# Altium PCB UCM PCB R1.PcbDoc (part 1 of 2)
Units mm, origin at the board's own origin, x right, y up, seen from the top; angles counter-clockwise.
Board outline 92.33 x 59.27 mm, 4 copper layers (Top Layer, (GND), (PWR), Bottom Layer), stack 1.369 mm thick; 151 components, 87 nets, 459 pads, 182 vias.
Unrouted connection lines stored in the file: 20.
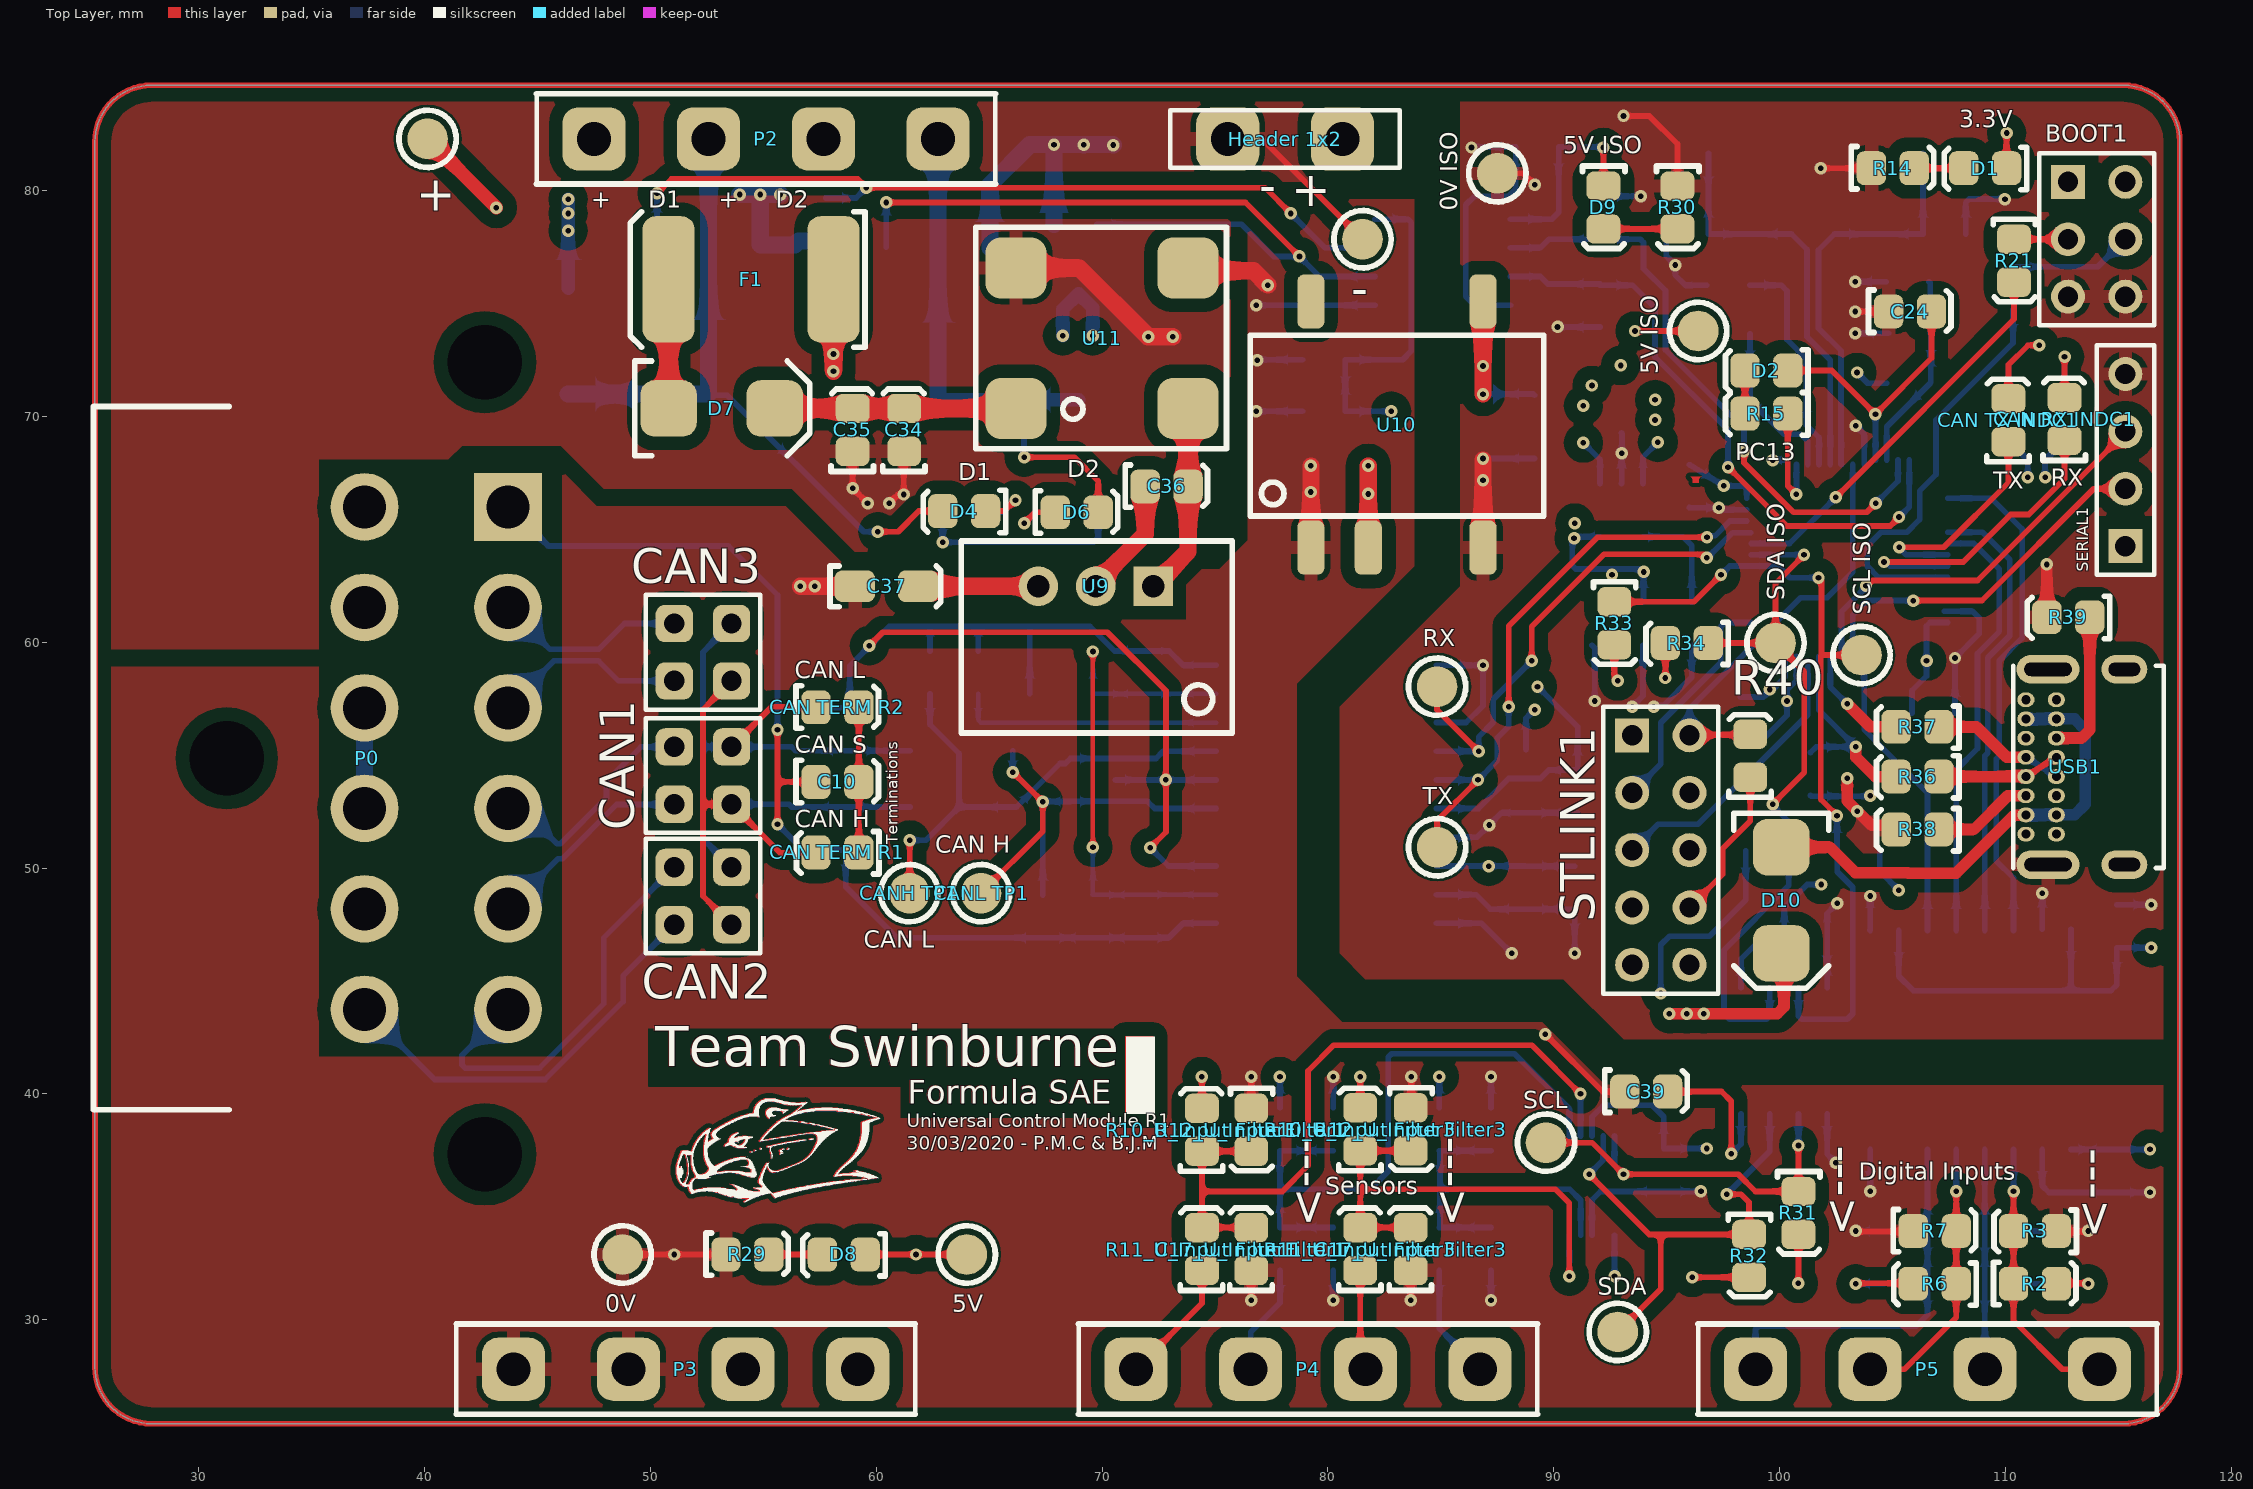
[diagram p0: Top Layer view]
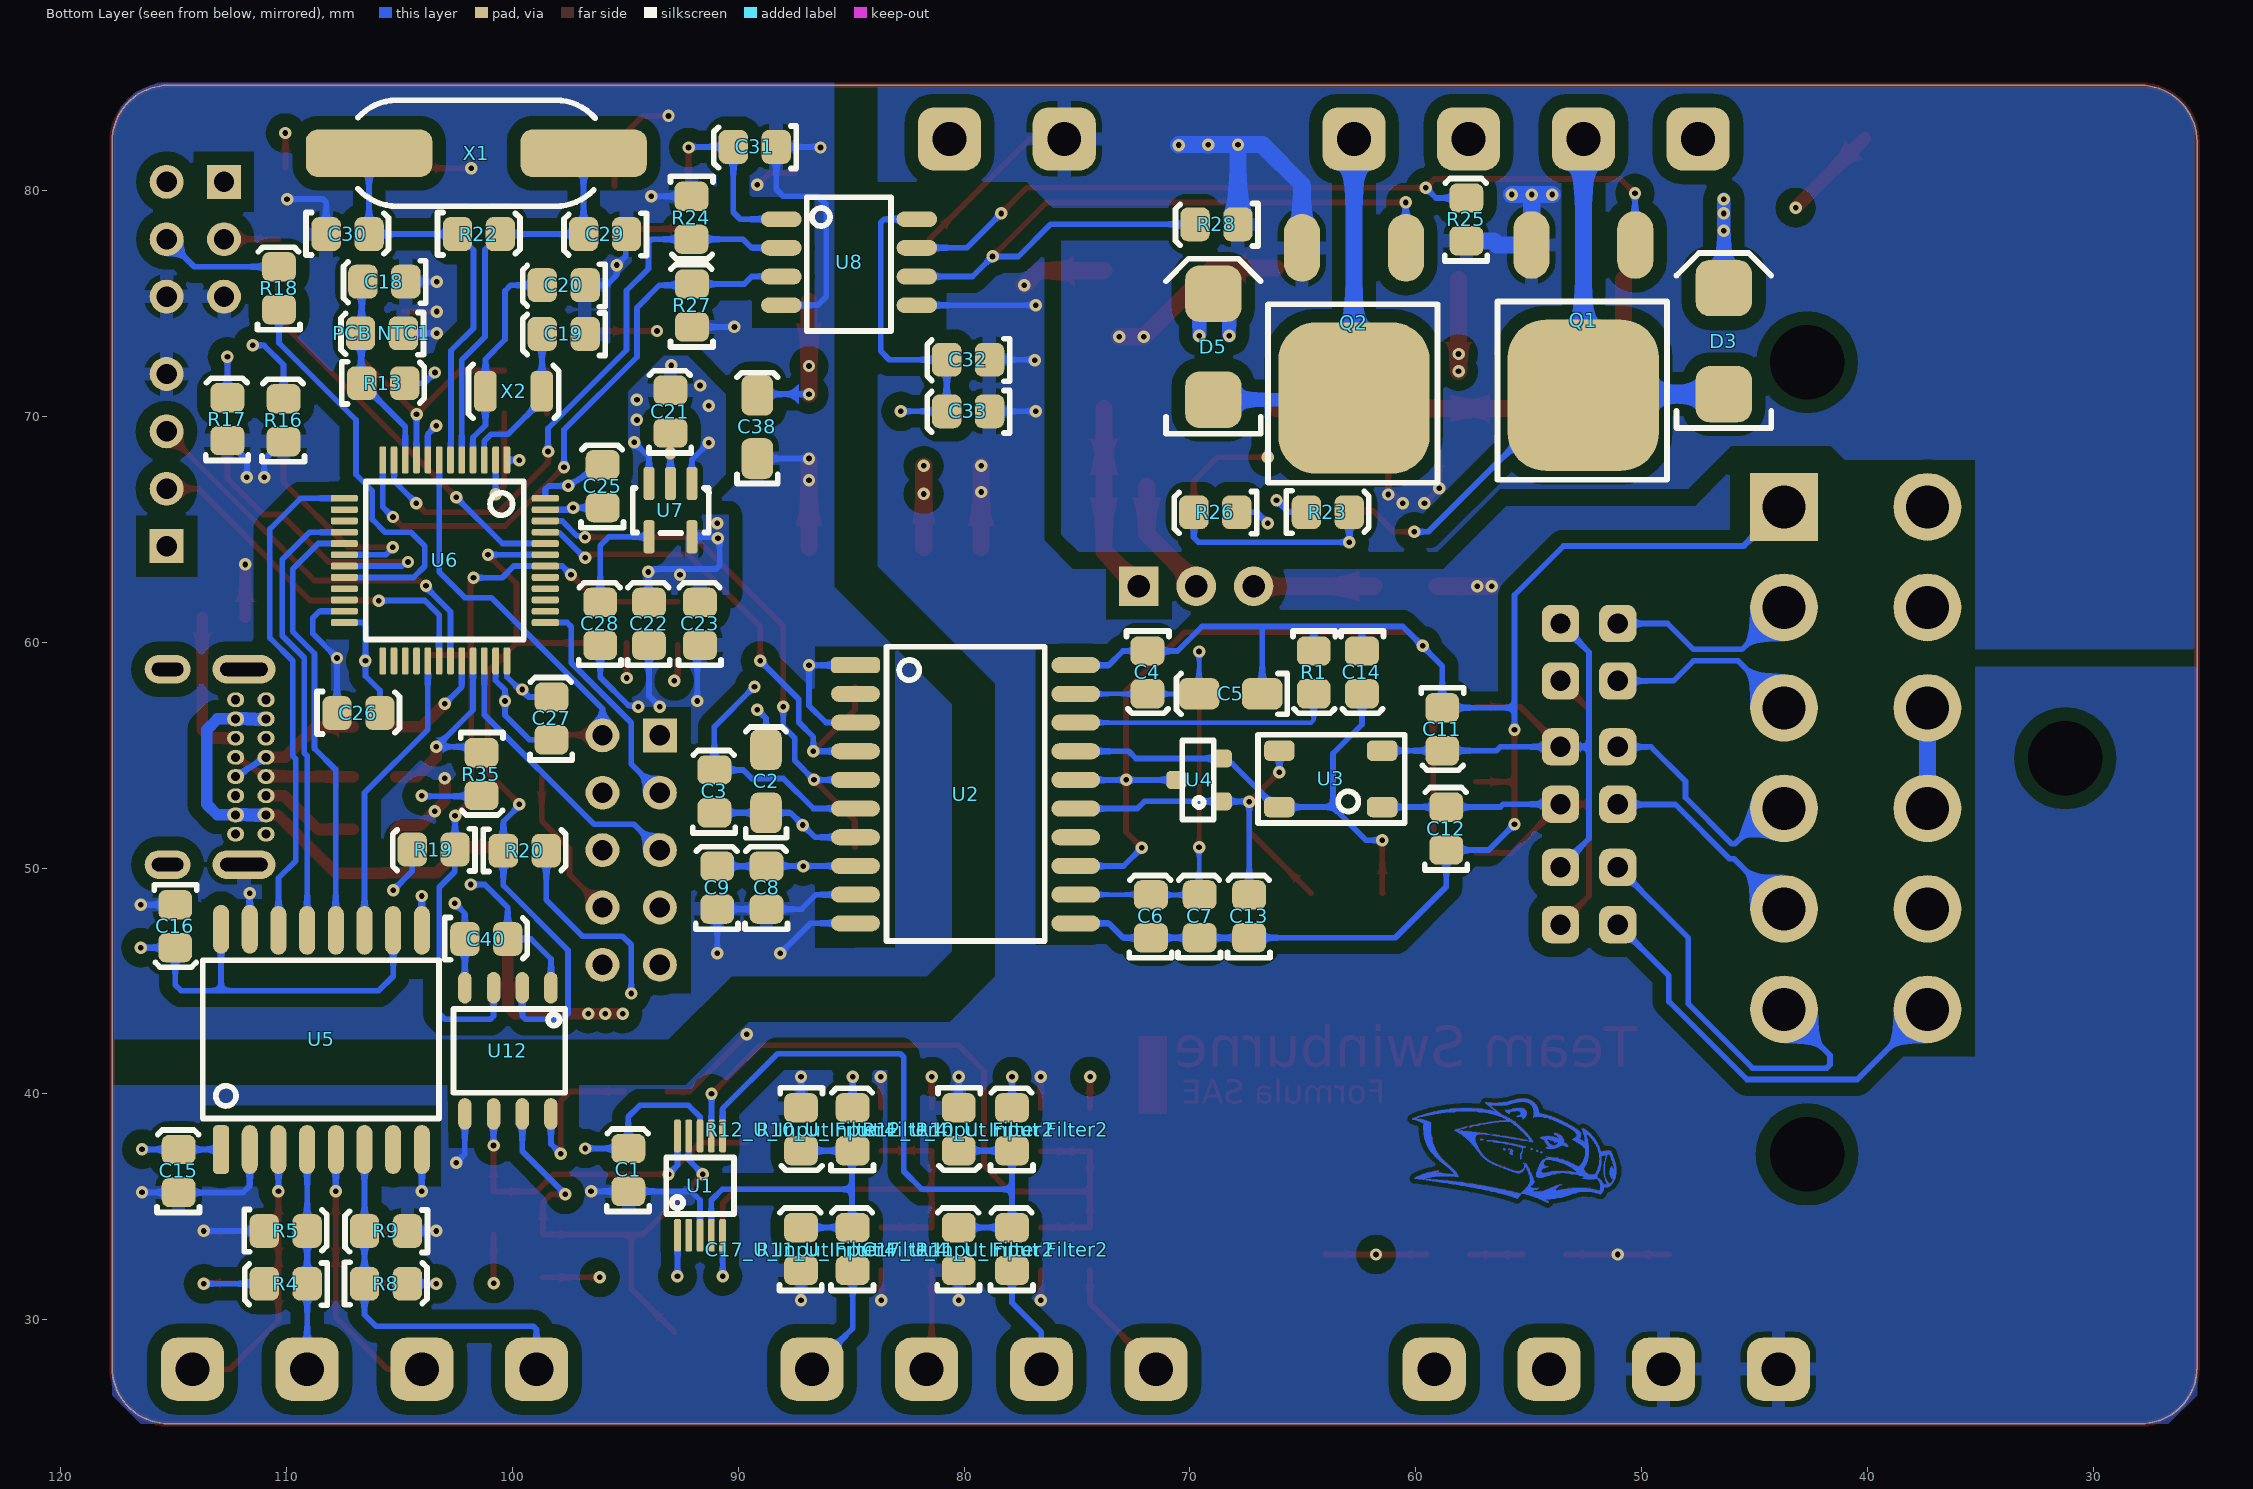
[diagram p1: Bottom Layer view, seen from below]
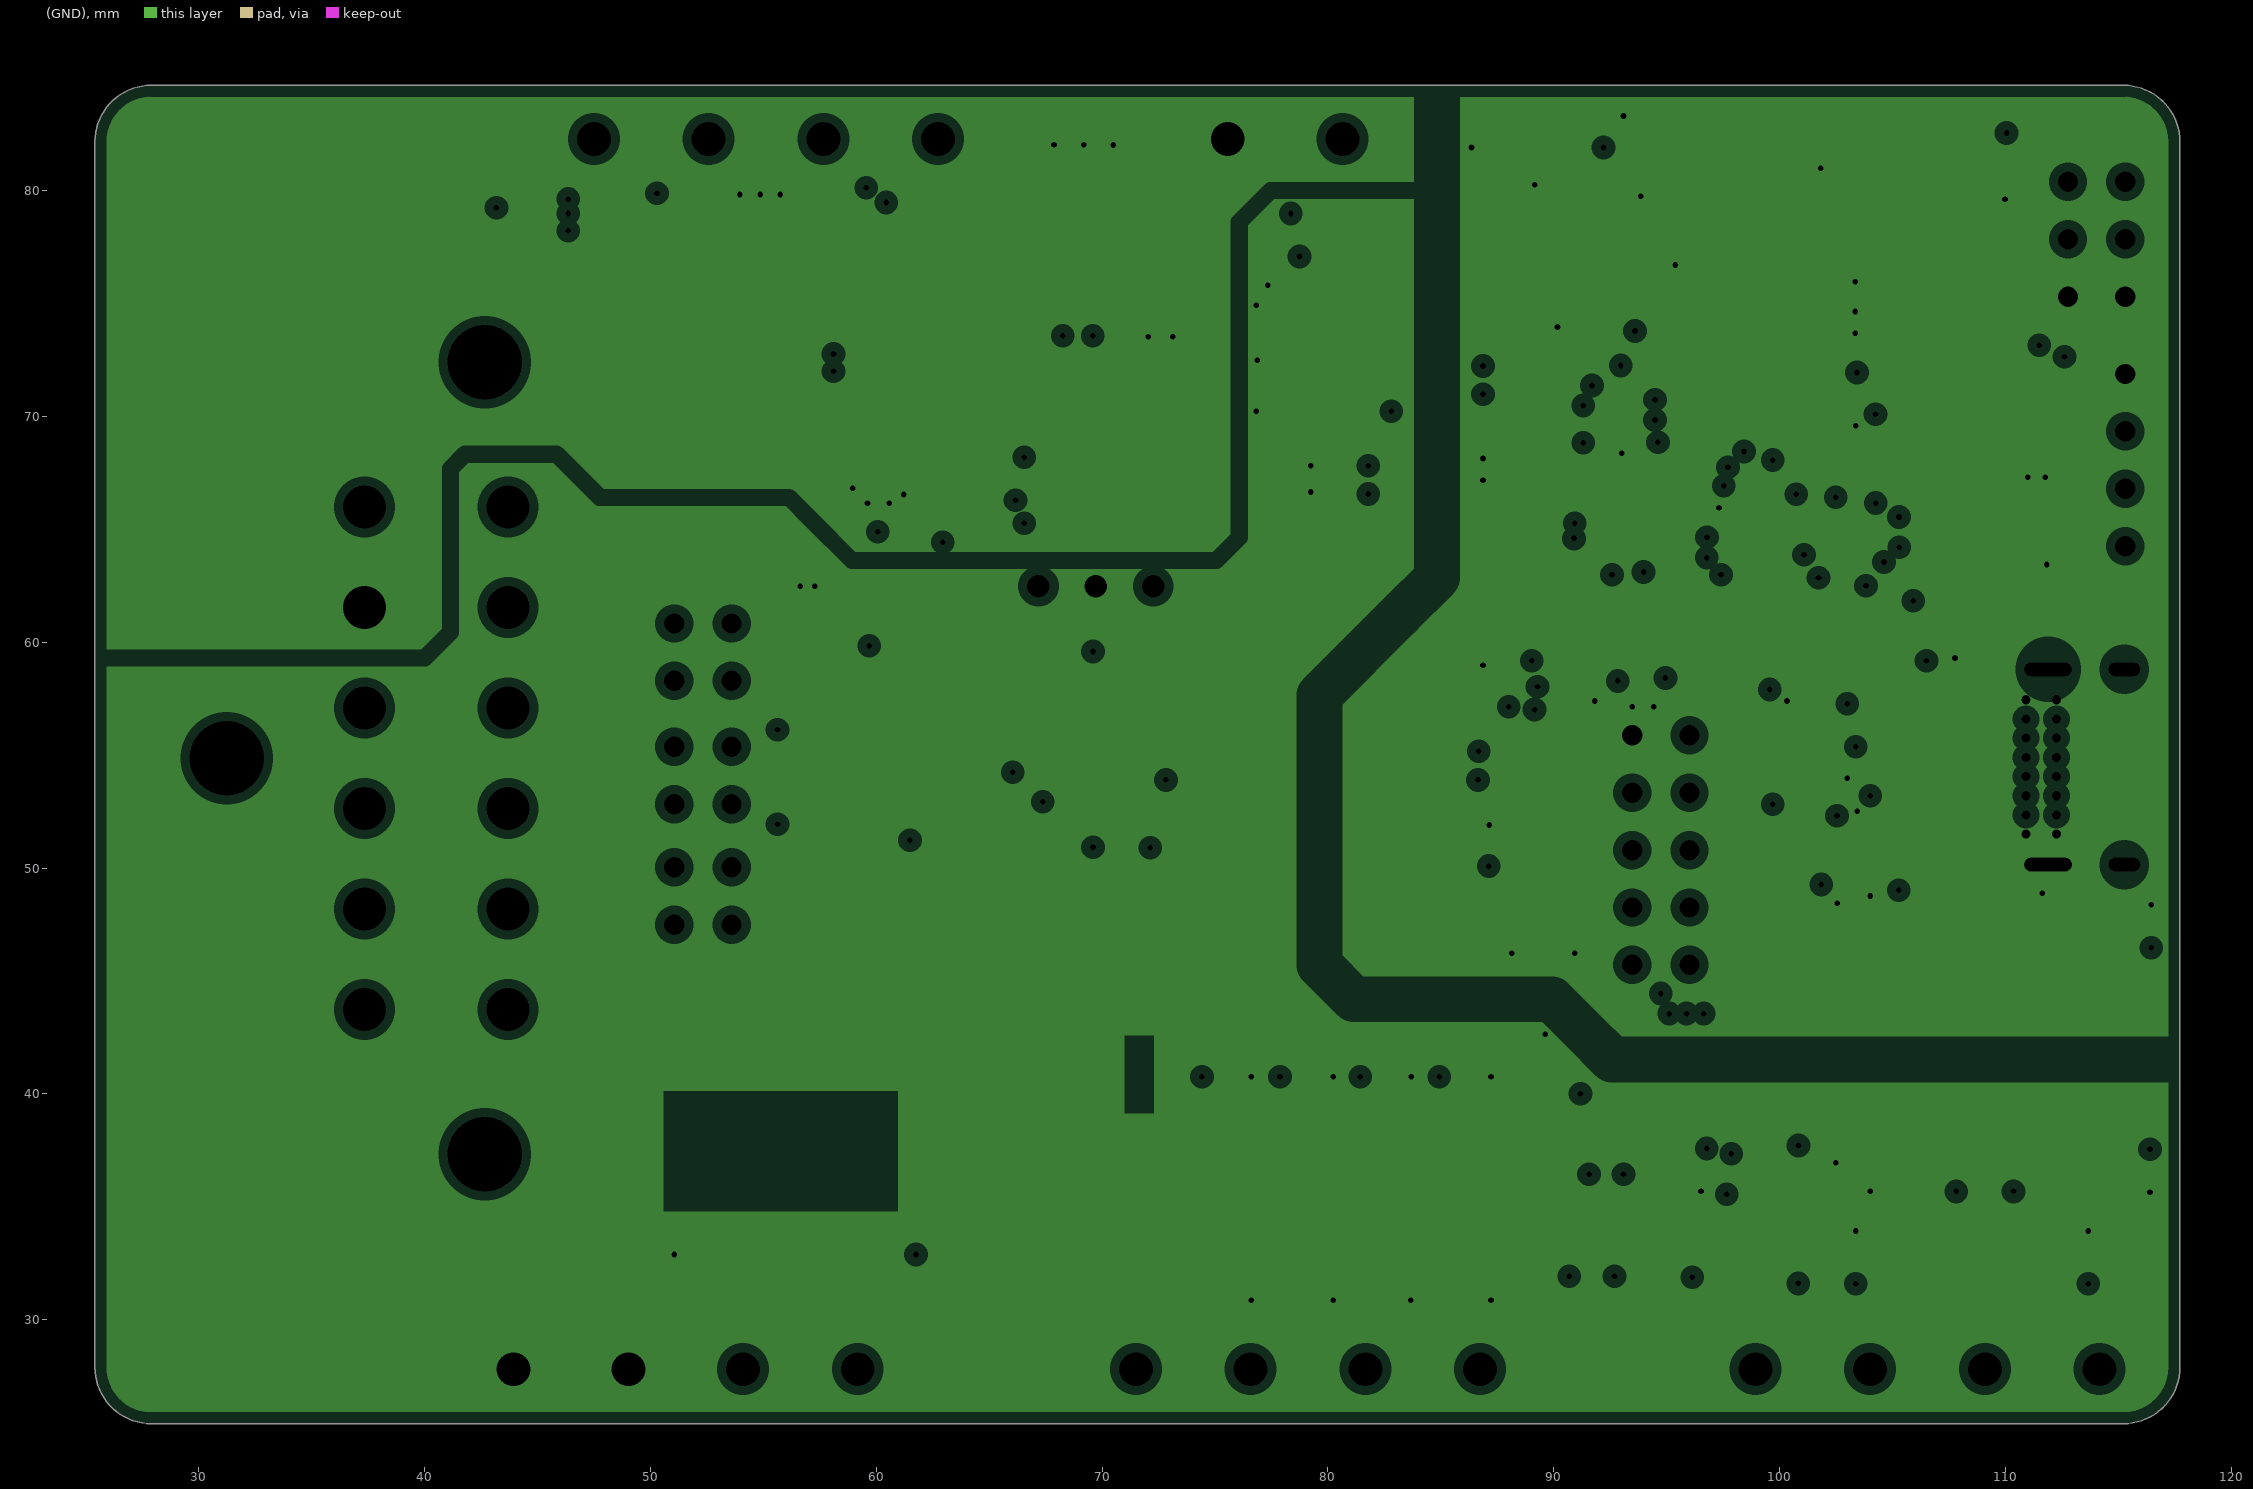
[diagram p2: (GND), clearances drawn from the general rule]
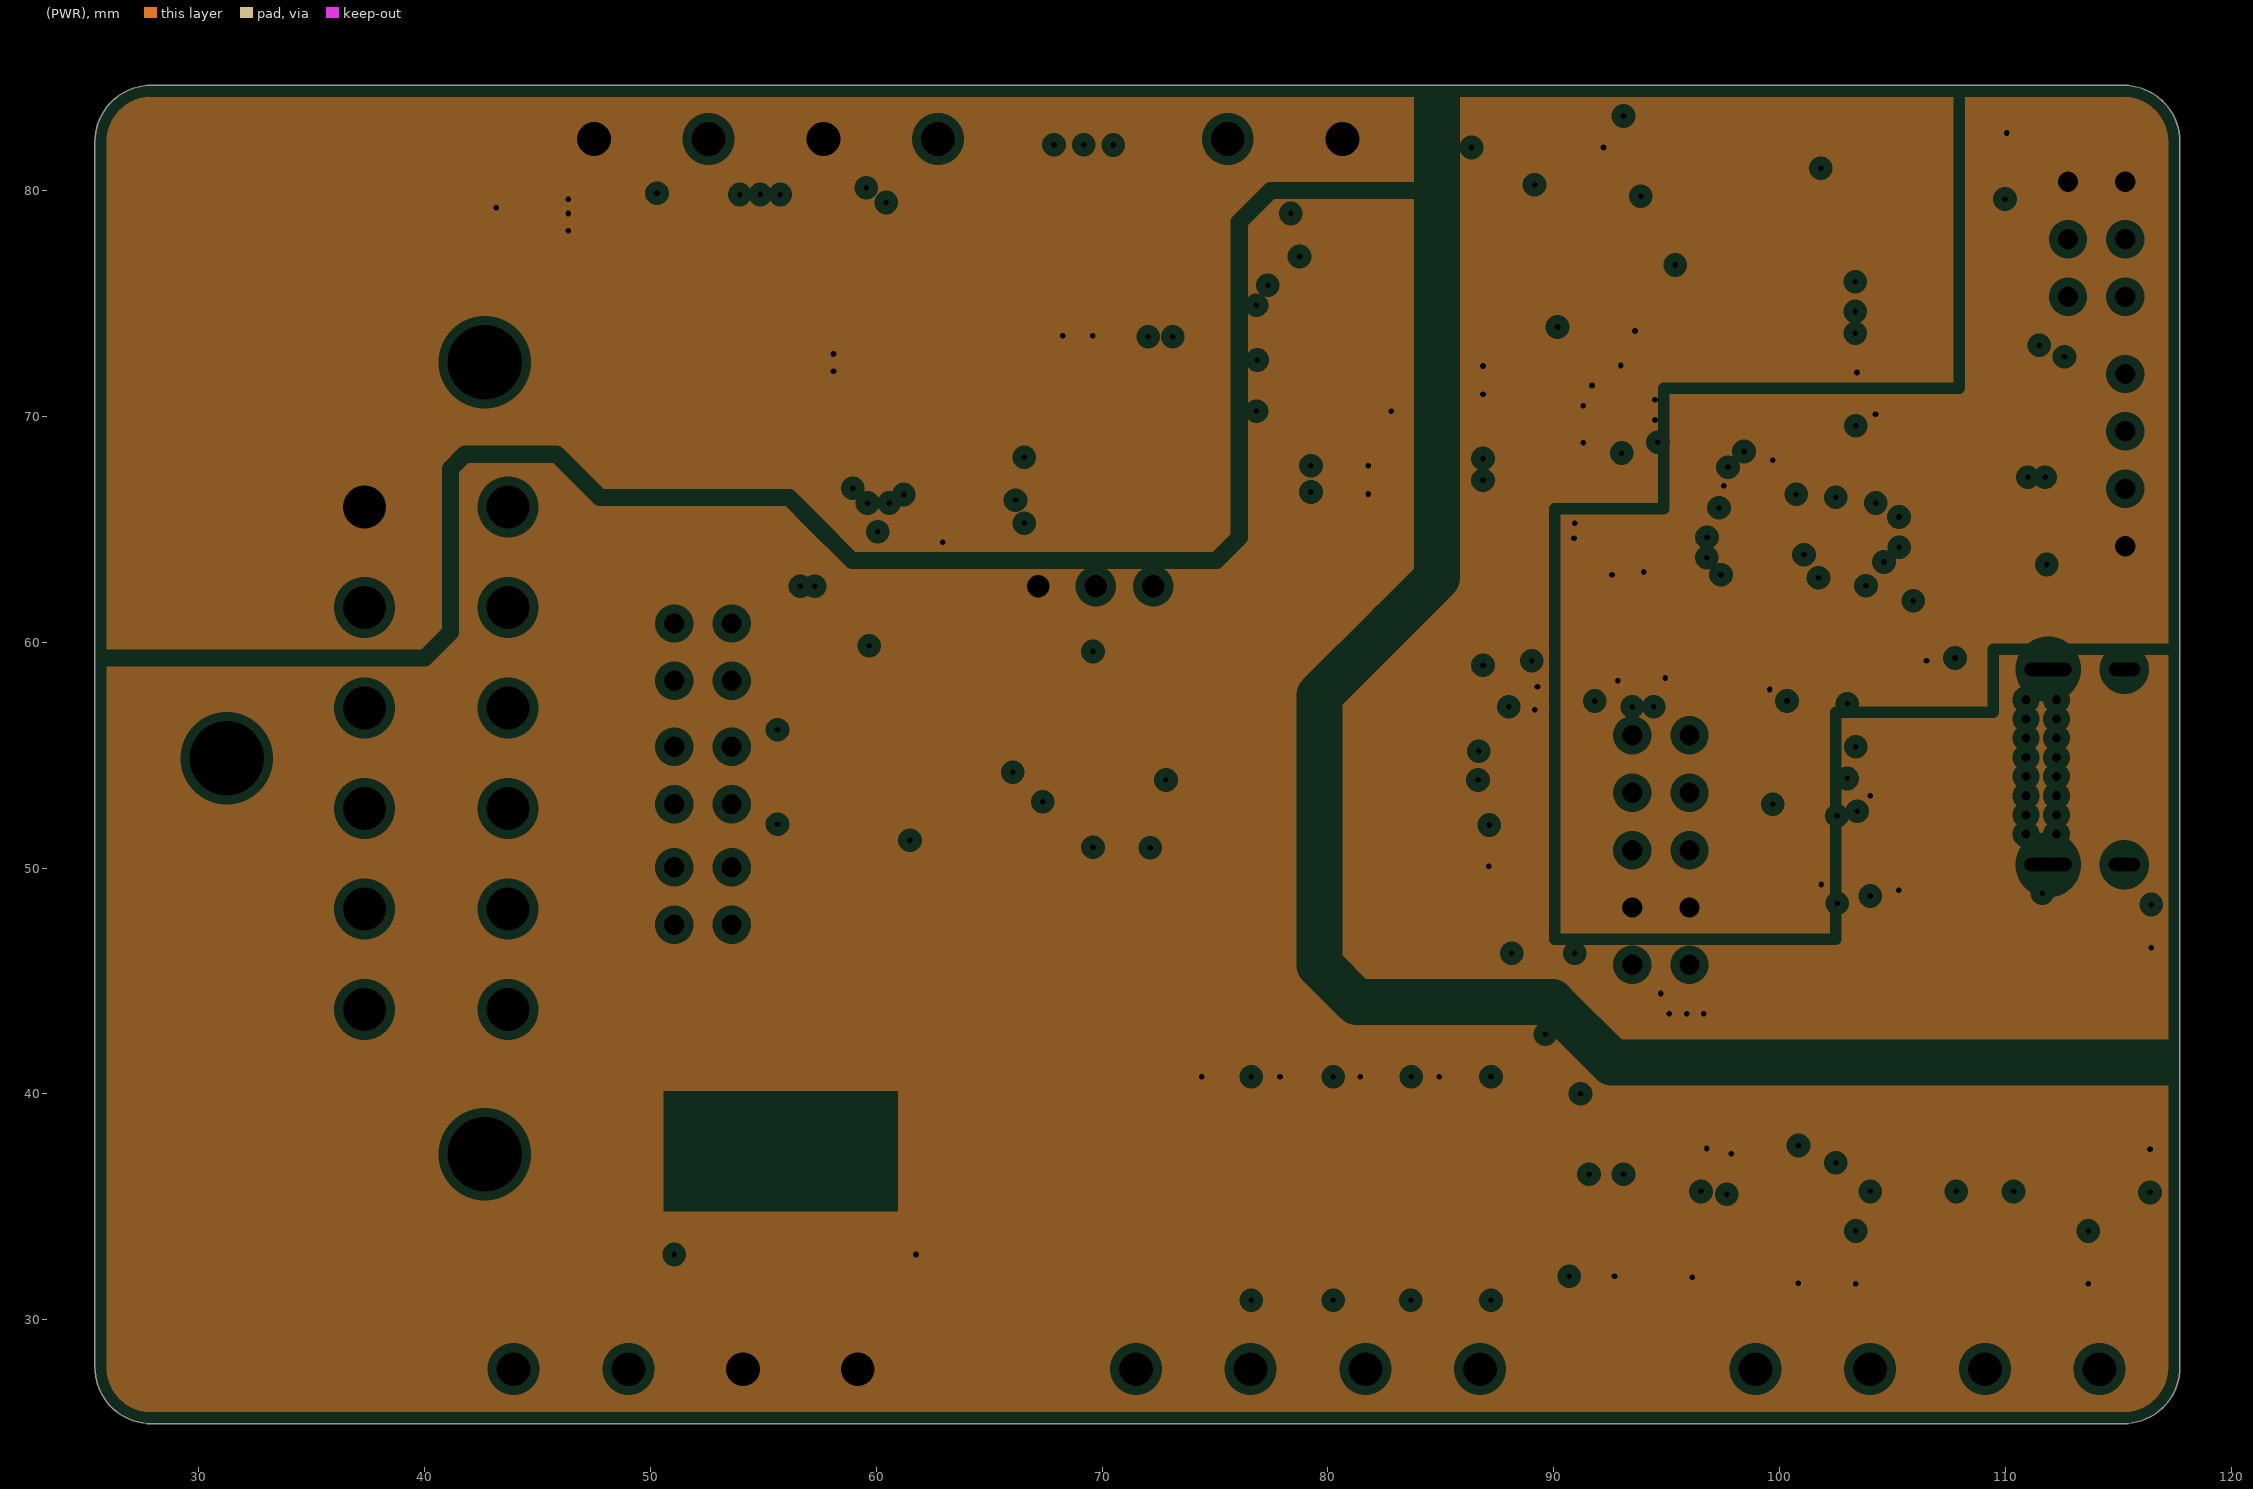
[diagram p3: (PWR), clearances drawn from the general rule]

## Layer stack, top to bottom
Top Solder: solder mask 0.0254, SM-001, Dk 4
Top Layer: signal copper 0.035
Dielectric 1: prepreg 0.1295, PP-017, Dk 4.3
Dielectric 2: prepreg 0.1295, PP-017, Dk 4.3
(GND): plane copper 0.035, net (Multiple Nets)
Dielectric 3: core 0.7112, Core-039, Dk 4.8
(PWR): plane copper 0.035, net (Multiple Nets)
Dielectric 4: prepreg 0.1295, PP-017, Dk 4.3
Dielectric 5: prepreg 0.1295, PP-017, Dk 4.3
Bottom Layer: signal copper 0.035
Bottom Solder: solder mask 0.0254, SM-001, Dk 4

## Board outline
25.4,27.9 25.4,82.169 cw(c27.9,82.169) 27.9,84.669 115.229,84.669 cw(c115.229,82.169) 117.729,82.169 117.729,27.9 cw(c115.229,27.9) 115.229,25.4 27.9,25.4 cw(c27.9,27.9)

## Design rules (kind name [scope] priority, off if disabled: settings)
Clearance [All] p1: gap=0.254 ignorepadtopadclearanceinfootprint=FALSE except(0: Arc-Hole Track-Hole SMDPad-Hole THPad-Hole Via-Hole Fill-Hole Poly-Hole Region-Hole Text-Hole; 0.1: THPad-THPad; 0.152: Arc-SMDPad Track-SMDPad SMDPad-SMDPad; 0.2: Arc-THPad Track-THPad SMDPad-THPad THPad-Via; 0.203: Arc-Arc Arc-Track Arc-Region Track-Track Track-Region SMDPad-Region THPad-Region Via-Region Fill-Region Poly-Region Region-Region; 0.6: Arc-Poly Track-Poly SMDPad-Poly THPad-Poly Via-Poly Fill-Poly Poly-Poly)
DiffPairsRouting [All] p1: maxlimit=0.254 minlimit=0.254 mostfreqgap=0.254 toplayer_minwidth=0.381 toplayer_maxwidth=0.381 toplayer_prefwidth=0.381 bottomlayer_minwidth=0.381 bottomlayer_maxwidth=0.381 bottomlayer_prefwidth=0.381 maxuncoupledlength=12.7
Height [All] p1: minheight=0 maxheight=50 prefheight=12.7
HoleSize [All] p1: absolutevalues=TRUE maxlimit=10 minlimit=0.025 maxpercent=80.000 minpercent=20.000
PlaneClearance [All] p1: clearance=0.4
PlaneConnect [All] p1: pad.planeconnectstyle=Relief pad.reliefexpansion=0.508 pad.reliefentries=4 pad.reliefconductorwidth=0.8 pad.reliefairgap=0.254 via.planeconnectstyle=Direct via.reliefexpansion=0.508 via.reliefentries=4 via.reliefconductorwidth=0.8 via.reliefairgap=0.254
PolygonConnect [All] p1: thpad.connectstyle=Relief thpad.reliefconductorwidth=0.6 thpad.reliefentries=4 thpad.polygonreliefangle="90 Angle" thpad.airgapwidth=0.254 smdpad.connectstyle=Relief smdpad.reliefconductorwidth=0.6 smdpad.reliefentries=4 smdpad.polygonreliefangle="90 Angle" smdpad.airgapwidth=0.254 via.connectstyle=Direct via.reliefconductorwidth=0.6 via.reliefentries=4 via.polygonreliefangle="90 Angle" via.airgapwidth=0.254
RoutingVias [All] p1: holewidth=0.711 width=1.27 viastyle="Through Hole" minholewidth=0.203 minwidth=0.254 maxholewidth=0.711 maxwidth=1.27
SolderMaskExpansion [All] p1: expansion=0.051 istentingtop=FALSE
Width [All] p1: maxlimit=3 minlimit=0.127 preferedwidth=0.5
25 further rules are at their usual default settings.

## Classes and differential pairs
channel class "Input Filter": "U_Input Filter1" "U_Input Filter2" "U_Input Filter3" "U_Input Filter4"
component class "U_Power Supply": 0V "0V Iso" 5V "5V ISO" + - C34 C35 C36 C37 C38 D7 D8 D9 F1 R29 R30 U9 U10 U11
component class "U_Output Driver": C31 C32 C33 D3 D4 D5 D6 Q1 Q2 R23 R24 R25 R26 R27 R28 U8
component class U_Microcontroller: BOOT1 C18 C19 C20 C21 C22 C23 C24 C25 C27 C28 C29 C30 "CAN RX INDC1" "CAN TX INDC1" D1 D2 D10 "PCB NTC1" R13 R14 R15 R16 R17 R18 R19 R20 R21 R22 R35 R36 R37 R38 R39 R40 SERIAL1 STLINK1 U6 U7 USB1 X1 X2
component class "U_Input Filter4": "C17_U_Input Filter4" "R10_U_Input Filter4" "R11_U_Input Filter4" "R12_U_Input Filter4"
component class "U_Input Filter3": "C17_U_Input Filter3" "R10_U_Input Filter3" "R11_U_Input Filter3" "R12_U_Input Filter3"
component class "U_Input Filter2": "C17_U_Input Filter2" "R10_U_Input Filter2" "R11_U_Input Filter2" "R12_U_Input Filter2"
component class "U_Input Filter1": "C17_U_Input Filter1" "R10_U_Input Filter1" "R11_U_Input Filter1" "R12_U_Input Filter1"
component class "U_Digital Inputs": C15 C16 C39 C40 R2 R3 R4 R5 R6 R7 R8 R9 R31 R32 R33 R34 SCL "SCL ISO" SDA "SDA ISO" U5 U12
component class U_CAN: C2 C3 C4 C5 C6 C7 C8 C9 C10 C11 C12 C13 C14 "CAN TERM R1" "CAN TERM R2" "CANH TP1" "CANL TP1" R1 RX TX U2 U3 U4
component class "U_4 Channel ADC": C1 U1
component class "Top Level": CAN1 CAN2 CAN3 "Header 1x2" P0 P2 P3 P4 P5
differential pair CANBUS2: +CAN2H -CAN2L
